# Altium PCB 400442.PcbDoc (part 3 of 4)
Units mil, origin at the board's own origin, x right, y up, seen from the top; angles counter-clockwise.
Board outline 5375 x 2500 mil, 4 copper layers (Top Layer, Mid-Layer 1, Mid-Layer 2, Bottom Layer), stack 59.252 mil thick; 333 components, 216 nets, 1371 pads, 1287 vias.
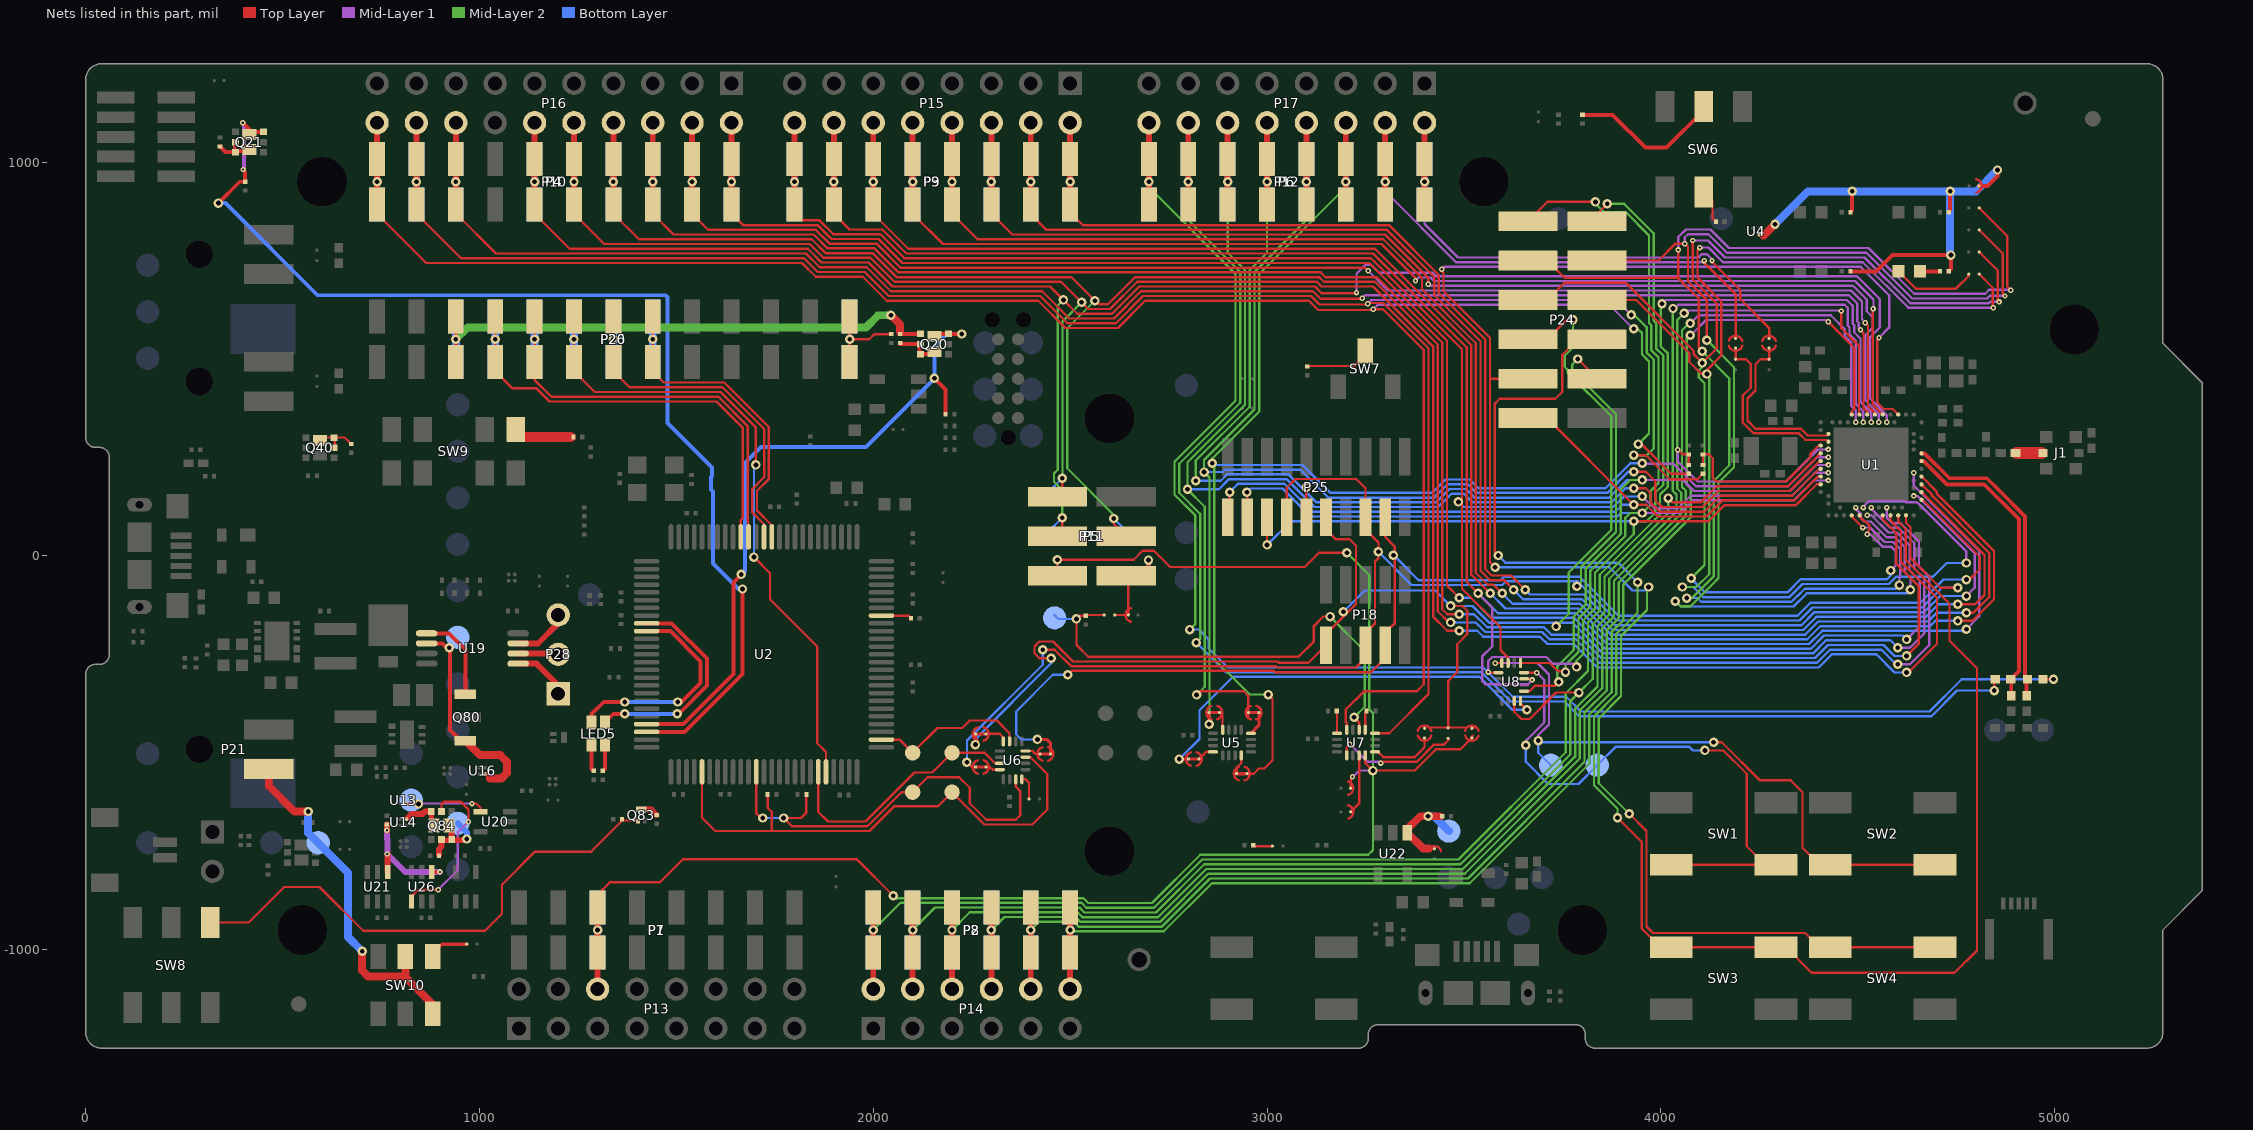
[diagram p5: the nets of this part, all layers, seen from the top]

## Via types
v1: diameter 24, hole 12, Top Layer to Bottom Layer, tented both sides, 1085 vias
v2: diameter 13.78, hole 5.91, Top Layer to Mid-Layer 1, tented both sides, 161 vias
v3: diameter 13.78, hole 5.91, Top Layer to Mid-Layer 1, tented top, 32 vias
v4: diameter 23.62, hole 11.81, Top Layer to Bottom Layer, tented both sides, 8 vias
v5: diameter 19.68, hole 9.84, Top Layer to Bottom Layer, tented both sides, 1 vias

## Nets (pads, with @x,y where several pads share a name; then routed paths per layer and width w, separated by ;. In a path a pad name is that pad's centre, name@x,y a point inside that pad or via, vN(x,y) a via of type N, cw(c..) or ccw(c..) an arc to the next point about the centre after c; other vN are vias at no path point) (continued)
NetLED4_1: LED4.1 SB8.2 | length 215
  Top Layer w5.91: LED4.1@4603.33,722.73 4647.32,678.73 4749.73,678.73 4782.03,711.03 SB8.2@4782.03,715.73
NetLED4_2: LED4.2 R51.1 | length 50.3
  Top Layer w10: LED4.2@4658.33,722.73 R51.1@4708.62,722.73
NetLED5_1: LED5.1 R20.1 | length 68.7
  Top Layer w10: LED5.1@1284.87,-479.54 1284.87,-540.78 1288.97,-544.87 1288.97,-545.47 1289.28,-545.78 R20.1@1289.87,-545.78
NetLED5_2: LED5.2 R21.1 | length 68.7
  Top Layer w10: R21.1@1313.34,-545.78 1313.93,-545.78 1314.24,-545.47 1314.24,-544.87 1318.34,-540.78 LED5.2@1318.34,-479.54
NetP1_3: P1.3 P5.5 P7.3 P11.5 P13.6 SB43.2 SB44.1 U7.4 | length 4528.4
  Top Layer w5.91: P1.3@1300,-892.32 1300,-860 1331,-829 1457.6,-829 1516,-770.6 1958.6,-770.6 v1(2051,-863) ; P5.5@2467.68,-49.82 v1(2467.68,-9.6) 2661.4,-9.6 2684,13 2713,13 2754,-28 3096,-28 3132,8 v1(3203,8) ; SB43.2@3212.3,-590 3212.3,-576.1 3212.3,-566.7 v2@3218,-561 ; U7.4@3249.62,-506.48 3249.62,-525.62 v1(3269,-545) 3374.94,-545 3428.79,-491.15 3491.15,-491.15 3514.14,-468.16 SB44.1@3520,-462.3 ; SB44.1@3518.35,-460.65 3522,-457
  Top Layer w15: P13.6@1300,-1100 P1.3@1300,-1007.68 v1(1300,-950) P1.3@1300,-892.32
  Mid-Layer 1 w5.91: v2@3218,-561 3234,-545 v1(3269,-545)
  Mid-Layer 2 w5.91: v1(2051,-863) 2057,-869 2533.55,-869 2545.96,-881.41 2708.08,-881.41 2830.49,-759 3257,-759 3269,-747 v1(3269,-545) 3269,-399.3 3259.98,-390.28 3259.98,-48.98 v1(3203,8)
  Bottom Layer w5.91: P11.5@2467.68,-50 v1(2467.68,-9.6)
  Bottom Layer w15: P7.3@1300,-1007.68 v1(1300,-950) P7.3@1300,-892.32
  other v2: 3217,-561
NetP4_9: P4.9 P10.9 P16.18 R1.1 U7.8 | length 5494.9
  Top Layer w5.91: P4.9@840,892.32 840,869 953,756 1823.97,756 1858.97,721 1978.3,721 2039.3,660 2423.94,660 2492.94,591 2616.23,591 2685.23,660 3111.71,660 3133.04,638.66 3253.9,638.66 v2(3255.62,640.38) 3257.34,642.1 3295.1,642.1 3410,527.21 3410,-350.97 3310.59,-450.38 U7.8@3274.23,-450.38 ; v1(3931,256) 3961.7,256 4022.94,194.76 4092.98,194.76 4104.09,205.87 4104.09,206.46 4106.41,208.78 R1.1@4107,208.78
  Top Layer w15: P4.9@840,892.32 v1(840,950) P4.9@840,1007.68 P16.18@840,1100
  Mid-Layer 1 w5.91: v2(3255.62,640.38) 3265.24,650 3887,650 v1(3925,612)
  Mid-Layer 2 w5.91: v1(3925,612) 3932.75,612 3964,580.75 3964,516.84 3982,498.84 3982,273 3965,256 v1(3931,256)
  Bottom Layer w15: P10.9@840,892.32 v1(840,950) P10.9@840,1007.68
NetP4_10: P4.10 P10.10 P16.20 R2.1 U7.12 | length 5509.2
  Top Layer w5.91: P4.10@740,892.32 740,869 865,744 1819,744 1854,709 1973.32,709 2034.32,648 2418.97,648 2487.97,579 2621.2,579 2690.2,648 3106.74,648 3130.24,624.49 3268.07,624.49 v2(3269.79,626.21) 3294.44,626.21 3398,522.65 3398,-326 3380,-344 3246,-344 3199.5,-390.5 3199.5,-421.5 3202.38,-424.38 U7.12@3202.38,-441.52 ; v1(3943,284) 3950.67,284 4025.89,208.78 R2.1@4071,208.78
  Top Layer w15: P4.10@740,892.32 v1(740,950) P4.10@740,1007.68 P16.20@740,1100
  Mid-Layer 1 w5.91: v2(3269.79,626.21) 3281.57,638 3869,638 3930,577 v1(3931,577)
  Mid-Layer 2 w5.91: v1(3931,577) 3941,577 3952,566 3952,511.87 3970,493.87 3970,311 v1(3943,284)
  Bottom Layer w15: P10.10@740,892.32 v1(740,950) P10.10@740,1007.68
NetP5_6: P5.6 P11.6 SB32.2 SB33.1 | length 204.5
  Top Layer w5.91: SB33.1@2613.3,-150 2640.83,-150 ; P5.6@2642.5,-50 2647.7,-55.2 2647.7,-136.1 SB32.2@2647.7,-150
  Top Layer w10: P5.6@2699,-48 v1(2699,-10.6)
  Bottom Layer w10: P11.6@2699,-48 v1(2699,-10.6)
NetP6_7: P6.7 P12.7 P17.14 R43.1 | length 3799.2
  Top Layer w5.91: v1(4847,-342) 4847,-315.16 R43.1@4849.16,-313
  Top Layer w15: P6.7@2800,892.32 v1(2800,950) P6.7@2800,1007.68 P17.14@2800,1100
  Mid-Layer 2 w5.91: v1(2800,950) 2800,853.03 2932,721.03 2932,389 2777,234 2777,160.3 2830,107.3 2830,-210 v1(2820,-220)
  Bottom Layer w5.91: v1(2820,-220) 2895.09,-295.09 3544.26,-295.09 3618.85,-369.69 3755.19,-369.69 3792.4,-406.91 4687.09,-406.91 4752,-342 v1(4847,-342)
  Bottom Layer w15: P12.7@2800,892.32 v1(2800,950) P12.7@2800,1007.68
NetP6_8: P6.8 P12.8 P17.16 R45.1 | length 3996.6
  Top Layer w5.91: R45.1@4970.53,-313 v1(4997.16,-313)
  Top Layer w15: P6.8@2700,892.32 v1(2700,950) P6.8@2700,1007.68 P17.16@2700,1100
  Mid-Layer 2 w5.91: v1(2700,950) 2700,936.06 2920,716.06 2920,394 2765,239 2765,155.33 2818,102.33 2818,-173 v1(2804,-187)
  Bottom Layer w5.91: v1(2804,-187) 2827,-187 2852,-212 2852,-235.16 2900.03,-283.19 3549.19,-283.19 3623.79,-357.79 3760.12,-357.79 3797.33,-395 4682.16,-395 4764.16,-313 v1(4997.16,-313)
  Bottom Layer w15: P12.8@2700,892.32 v1(2700,950) P12.8@2700,1007.68
NetP20_13: P20.13 P26.13 R69.2 | length 342.2
  Top Layer w5.91: P20.13@1940,492.32 v1(1940,550) ; P20.13@1940,607.68 v1(1940,550) ; R69.2@2046,563.22 2003.22,563.22 1990,550 v1(1940,550)
  Bottom Layer w5.91: P26.13@1940,492.32 v1(1940,550) P26.13@1940,607.68
NetP21_2: P21.2 SW10.2 SW10.4 TP27.1 | length 920.8
  Top Layer w20: P21.2@464.99,-541 464.99,-583.99 530,-649 v1(565,-649) ; v1(702,-1004) 702,-1053 717,-1068 810,-1068 ; SW10.2@812,-1017.17 812,-1066 810,-1068 ; SW10.4@880.9,-1162.83 880.9,-1138.9 810,-1068
  Bottom Layer w20: v1(565,-649) 565,-703.83 666,-804.83 666,-968 v1(702,-1004)
NetP28_1: P28.1 U19.5 | length 145.9
  Top Layer w15: U19.5@1098.14,-273.39 1144.39,-273.39 1200,-329 P28.1@1200,-350
NetP28_2: P28.2 U19.6 | length 102.8
  Top Layer w15: U19.6@1098.14,-247.8 1197.8,-247.8 P28.2@1200,-250
NetP28_3: P28.3 U19.7 | length 144.1
  Top Layer w15: U19.7@1098.14,-222.2 1148.8,-222.2 1200,-171 P28.3@1200,-150
NetQ20_5: Q20.5 Q20.6 R22.2 | length 115.2
  Top Layer w10: R22.2@2068.33,538 2117.93,538 Q20.6@2117.93,512.41 ; Q20.6@2118.13,512.41 2148.44,512.41 Q20.6@2155.33,519.3
NetQ21_5: Q21.5 Q21.6 R24.2 | length 109.5
  Top Layer w10: R24.2@341,1039.78 341.59,1039.78 341.9,1039.46 341.9,1038.87 355.37,1025.41 378.6,1025.41 Q21.5@378.6,1051 ; Q21.6@378.79,1025.41 381.12,1027.73 411.43,1027.73 Q21.6@416,1032.3
NetQ40_5: Q40.5 Q40.6 R41.2 | length 114.4
  Top Layer w5.91: Q40.6@595,293.7 601.89,300.59 Q40.6@632.2,300.59 ; Q40.5@632.4,275 632.4,300.59 657.63,300.59 671.09,287.13 671.09,286.54 673.41,284.22 R41.2@674,284.22
NetQ80_1: Q80.1 U19.1 | length 220.3
  Top Layer w10: U19.1@873.86,-196.61 922.61,-196.61 964.13,-238.13 Q80.1@964.13,-350.94
NetQ80_3: Q80.3 TP34.1 U16.A1 U19.2 | length 532.2
  Top Layer w9.84: U16.A1@1014.87,-553.87 1026.19,-565.19
  Top Layer w10: U19.2@873.86,-222.2 906.2,-222.2 925.57,-241.57 925.57,-442.57 952.06,-469.06 Q80.3@964.13,-469.06
  Top Layer w20: Q80.3@964.13,-469.06 1001.08,-506 1053,-506 1070,-523 1070,-551 1055.81,-565.19 1026.19,-565.19
  other v1: 923,-233
NetQ83_1: Q83.1 R94.1 SW8.4 | length 1328.7
  Top Layer w5.91: SW8.4@316.05,-930.73 414.27,-930.73 504,-841 594,-841 705,-952 1014,-952 1057.11,-908.89 1057.11,-834.89 1141,-751 1283.61,-751 1362.83,-671.78 Q83.1@1402.14,-671.78
NetQ83_3: Q83.3 R93.2 | length 44.6
  Top Layer w15: Q83.3@1411,-644.22 1436.44,-644.22 R93.2@1450,-657.78
NetQ84_2: Q84.2 U26.4 | length 419.1
  Top Layer w5.91: U26.4@827.41,-877.4 827.41,-864.59 844,-848 v3(895,-848) ; Q84.2@903.59,-647.59 903.59,-631.41 911,-624 952,-624 972,-644 v3(972,-675)
  Mid-Layer 1 w5.91: v3(895,-848) 945,-798 945,-702 v3(972,-675)
NetQ84_3: Q84.3 U14.A2 | length 108
  Top Layer w12: Q84.3@878,-647.59 878,-677.91 Q84.3@884.89,-684.8
  Top Layer w15: U14.A2@817.5,-665.5 827.98,-655.02 855.36,-655.02 861.38,-649 876.59,-649 Q84.3@878,-647.59
NetQ84_5: Q84.5 Q84.6 R96.2 TP45.1 | length 194.8
  Top Layer w15: R96.2@897.22,-759 897.22,-744.78 903.59,-738.41 903.59,-722 Q84.6@929.18,-722 ; Q84.6@922.29,-684.8 929.18,-691.69 Q84.6@929.18,-722 ; v4(968,-719) 965,-722 Q84.6@929.18,-722
  Bottom Layer w15: TP45.1@944.88,-679.13 968,-702.25 v4(968,-719)
NetR3_2: R3.2 SW6.5 | length 88.8
  Top Layer w5.91: SW6.5@4109,924.73 4131.31,902.42 4131.31,857.46 4136.87,851.91 4137.46,851.91 4139.78,849.59 R3.2@4139.78,849
NetR4_2: R4.2 SW7.2 | length 170.2
  Top Layer w5.91: R4.2@3102,481.22 3103,482.22 3222.22,482.22 3250,510 SW7.2@3250,520.28
NetR5_2: R5.2 SW6.2 | length 381.5
  Top Layer w10: R5.2@3801,1120.22 3877.78,1120.22 3961,1037 4014.73,1037 SW6.2@4109,1131.27
NetR30_2: R30.2 U2.43 | length 77.9
  Top Layer w5.91: U2.43@2020.83,-151.58 2089.95,-151.58 2093.46,-155.09 2095.8,-157.43 R30.2@2096.35,-157.43
NetR47_2: R47.2 R48.2 R50.2 R51.2 SB9.2 U4.A1 | length 1366.8
  Top Layer w9.84: U4.A1@4249.99,816 4261.24,816
  Top Layer w10: R50.2@4482.06,722.73 4546.73,722.73 4588,764 v1(4736.84,764) 4736.84,729.1 4731.06,723.32 R51.2@4731.06,722.73 ; R47.2@4482.06,872.73 4482.06,873.32 4485.84,877.1 v1(4485.84,926.04) 4485.84,893.41 ; R48.2@4731.06,872.73 4731.06,873.32 4734.84,877.1 v1(4734.84,925.73) ; SB9.2@4807.64,939.73 4814.51,939.73 4830.07,939.73 4855,964.66 v1(4855,980)
  Top Layer w20: 4261,813 v1(4290,842)
  Bottom Layer w20: v1(4290,842) 4373.73,925.73 v1(4734.84,925.73) ; v1@4734.84,764 v1(4734.84,925.73) ; v1(4855,980) 4800.73,925.73 v1(4734.84,925.73)
NetR49_1: R49.1 SB65.2 | length 49.3
  Top Layer w5.91: R49.1@2965.22,-735 2967.22,-737 SB65.2@3013.7,-737
NetR52_2: R52.2 U7.9 | length 48.8
  Top Layer w5.91: U7.9@3249.62,-441.52 3249.62,-400.42 3250.46,-399.58 3250.46,-396.32 R52.2@3252.78,-394
NetR53_2: R53.2 U7.13 | length 58.2
  Top Layer w5.91: R53.2@3177.22,-394 R53.2@3177.77,-394.55 ; U7.13@3177.77,-450.38 R53.2@3177.77,-394.55 ; R53.2@3177.77,-393 R53.2@3177.77,-394.55
NetR68_1: R68.1 SB33.2 TP19.1 U7.10 | length 1261.9
  Top Layer w5.91: R68.1@2540,-151.78 2524.22,-151.78 v1(2516,-160) 2516,-226 2545.92,-255.92 3080.08,-255.92 3119,-217 3119,-178 3143,-154 v1(3160,-154) ; R68.1@2540.32,-150 SB33.2@2586.7,-150 ; v1(3221,-410) 3233.87,-422.87 U7.10@3233.87,-441.52
  Mid-Layer 2 w5.91: v1(3160,-154) 3247.98,-241.98 3247.98,-383.02 v1(3221,-410)
  Bottom Layer w5.91: TP19.1@2460,-150 2470,-160 v1(2516,-160)
NetR95_2: R95.2 U21.1 U26.1 | length 294.5
  Top Layer w10: v3(766,-757) v3@766.59,-757.59 ; U26.1@878.59,-802.6 v3(899.6,-802.6)
  Top Layer w15: v3(765,-697) R95.2@765,-682.22 ; U21.1@766.59,-802.6 v3@766.59,-757.59
  Mid-Layer 1 w15: v3(765,-697) 765,-718.44 766,-719.44 v3(766,-757) 811.6,-802.6 v3(899.6,-802.6)
NetR97_2: R97.2 SW9.8 | length 147.4
  Top Layer w25: SW9.8@1092.48,321.12 1111.6,302 1232,302
NetR98_1: R98.1 SB80.1 TP38.1 U22.1 | length 246.6
  Top Layer w20: 3411.66,-743 3396.55,-743 U22.1@3356.4,-702.85 3356.4,-693.6 3389,-661 v1(3409,-661) R98.1@3440,-661
  Bottom Layer w20: v1(3409,-661) 3423.87,-661 TP38.1@3461.69,-698.82
NetSB42_1: SB42.1 U7.1 | length 330.4
  Top Layer w5.91: U7.1@3202.38,-506.48 3202.38,-485.62 v2(3210,-478) ; v2(3289,-526) 3292,-523 3379.97,-523 3423.82,-479.15 3449.15,-479.15 3460,-468.3 SB42.1@3460,-463.3
  Mid-Layer 1 w5.91: v2(3210,-478) 3255,-523 3286,-523 v2(3289,-526)
NetSB45_1: SB45.1 U7.5 | length 165.4
  Top Layer w5.91: U7.5@3274.23,-497.62 3281.92,-497.62 3295.3,-511 3375,-511 3400,-486 3400,-469.17 SB45.1@3400,-462.3
NetSB46_1: SB46.1 U7.3 | length 152.5
  Top Layer w5.91: SB46.1@3212.3,-650 3218.16,-644.14 3233.87,-628.43 U7.3@3233.87,-506.48
NetSB50_1: SB50.1 U8.16 | length 1100.2
  Top Layer w5.91: U8.16@3643.62,-368.23 3643.62,-374.62 v1(3660,-391)
  Top Layer w8: v1(2777,-516) 2793.83,-516 SB50.1@2800.7,-516
  Bottom Layer w5.91: v1(2777,-516) 2828.31,-464.69 2828.31,-391.99 2913.3,-307 3539.33,-307 3623.33,-391 v1(3660,-391)
NetSB50_2: SB50.2 U5.16 | length 43.1
  Top Layer w5.91: SB50.2@2827.3,-516 2845.68,-497.62 U5.16@2862.77,-497.62
NetSB51_2: SB51.2 U5.4 | length 51.5
  Top Layer w5.91: SB51.2@2922.7,-553 2922.7,-538.3 2934.62,-526.38 U5.4@2934.62,-506.48
NetSB52_2: SB52.2 U5.8 | length 61.1
  Top Layer w5.91: U5.8@2958.95,-450.5 U5.8@2959.23,-450.23
  Top Layer w8: U5.8@2959.23,-450.38 2959.23,-450.23 2979.3,-430.16 SB52.2@2979.3,-398
NetSB53_2: SB53.2 U5.12 | length 46.9
  Top Layer w5.91: SB53.2@2879.3,-398 2887.1,-405.8 U5.12@2887.1,-441.65
NetSB54_2: SB54.2 U6.16 | length 62.7
  Top Layer w5.91: U6.16@2377.62,-567.23 2386.92,-567.23 2395.7,-576.01 SB54.2@2395.7,-617
NetSB55_2: SB55.2 U6.4 | length 40.4
  Top Layer w5.91: U6.4@2386.48,-495.38 2404.38,-495.38 2412,-503 SB55.2@2423.7,-503
NetSB56_2: SB56.2 U6.8 | length 57.4
  Top Layer w5.91: SB56.2@2286.3,-452 2321,-452 2330.38,-461.38 U6.8@2330.38,-470.77
NetSB57_2: SB57.2 U6.12 | length 39.2
  Top Layer w5.91: SB57.2@2286.3,-536 2296,-536 2302.62,-542.62 U6.12@2321.52,-542.62 U6.12@2321.52,-543.83
NetSB58_2: SB58.2 SW10.1 | length 103.8
  Top Layer w8: SW10.1@880.9,-1017.17 880.9,-1010.1 905,-986 SB58.2@967.7,-986
NetSW1_2: SW1.2 TP20.1 U8.4 | length 1480.8
  Top Layer w5.91: U8.4@3652.48,-296.38 3685.38,-296.38 v2@3686,-297 ; SW1.2@4026.7,-784.26 SW1.2@4265.01,-784.26 ; v1(4112,-494) 4158.82,-494 4218,-553.18 4218,-737.25 SW1.2@4265.01,-784.26 ; SW1.2@4319.18,-784.26 SW1.2@4292.45,-784.26 SW1.2@4265.01,-784.26
  Mid-Layer 1 w5.91: v1(3657,-481) 3657,-470 3704,-423 3704,-315 v2@3686,-297
  Bottom Layer w5.91: v1(3657,-481) 3657,-522.38 3713.72,-579.09 3790.98,-579.09 TP20.1@3838.58,-531.5 3885.08,-485 4073,-485 4082,-494 v1(4112,-494)
  other v2: 3685,-297
NetSW2_2: SW2.2 TP21.1 U8.8 | length 1643.3
  Top Layer w5.91: v2@3578.23,-271.77 U8.8@3596.38,-271.77 ; v1(4134,-473) 4154.79,-473 4251.79,-570 4329.96,-570 4360,-600.04 4360,-741.08 4403.18,-784.26 SW2.2@4430.7,-784.26 SW2.2@4696.45,-784.26
  Mid-Layer 1 w5.91: v2@3578.23,-271.77 3686.8,-271.77 3715.91,-300.88 3715.91,-427.93 3689,-454.84 v1(3689,-469)
  Bottom Layer w5.91: TP21.1@3720.47,-531.5 3689,-500.02 v1(3689,-469) 3693,-473 v1(4134,-473)
  other v2: 3579.23,-272.77
NetTP43_1: TP43.1 U13.B2 U20.4 | length 211.2
  Top Layer w5.91: U13.B2@814.87,-628.87 v4@845,-628.87 ; v2(981,-628.87) 991.87,-628.87 1002.6,-639.6 U20.4@1002.6,-649.41 U20.4@993.41,-649.41
  Mid-Layer 1 w5.91: v4@845,-628.87 v2(981,-628.87)
  other v4: 845,-630
OB_LED1: LED5.4 U2.84 | length 556.7
  Top Layer w10: LED5.4@1318.34,-422.46 1339.79,-401 v1(1368.61,-401) ; U2.84@1424.38,-171.26 1487.87,-171.26 1577.61,-261 1577.61,-329.53 1506.13,-401 v1(1502.61,-401)
  Bottom Layer w10: v1(1368.61,-401) v1(1502.61,-401)
OB_LED2: LED5.3 U2.85 | length 554.4
  Top Layer w10: LED5.3@1284.87,-422.46 1284.87,-401.73 1315.61,-371 v1(1368.61,-371) ; U2.85@1424.38,-190.95 1484.92,-190.95 1561.61,-267.63 1561.61,-322.9 1513.51,-371 v1(1503.61,-371)
  Bottom Layer w10: v1(1368.61,-371) v1(1503.61,-371)
OB_RESET: TP7.1 U2.27 U6.7 | length 407.1
  Top Layer w5.91: U2.27@2020.83,-466.54 2066.54,-466.54 TP7.1@2100,-500 2163,-437 2226,-437 2245,-418 2314,-418 2346.13,-450.13 U6.7@2346.13,-470.77
OB_SWDCLK: R28.2 TP6.1 U2.5 U6.3 | length 1358.4
  Top Layer w5.91: U2.5@1565.13,-548.23 1565.13,-665.13 1598.6,-698.6 1742.35,-698.6 ; R28.2@1731.78,-606 1731.78,-639.43 1742.35,-650 1742.35,-698.6 ; U6.3@2386.48,-511.13 2399.13,-511.13 2442,-554 2442,-644 2404,-682 2282,-682 TP6.1@2200,-600 2164,-636 2052.94,-636 1990.34,-698.6 1742.35,-698.6
OB_SWDIO: R29.2 TP5.1 U2.12 U6.15 | length 1118.6
  Top Layer w5.91: U2.12@1702.92,-548.23 1702.5,-548.65 1702.5,-652.5 1715.6,-665.6 v1(1719.6,-665.6) ; R29.2@1830.22,-606 1830.22,-651.78 1816.4,-665.6 v1(1772.35,-665.6) 1793.35,-686.6 1985.37,-686.6 2071.97,-600 TP5.1@2100,-600 2138,-562 2218,-562 2245,-589 2245,-628.03 2286.97,-670 2362,-670 2373,-659 2373,-596.93 2361.87,-585.81 U6.15@2361.87,-567.23
  Bottom Layer w5.91: v1(1719.6,-665.6) v1(1772.35,-665.6)
OB_SWO: TP8.1 U2.20 U6.11 | length 656.5
  Top Layer w5.91: U2.20@1860.4,-548.23 1860.4,-649.99 1885.02,-674.6 1980.4,-674.6 2105,-550 2150,-550 TP8.1@2200,-500 2282.79,-500 2309.66,-526.87 U6.11@2321.52,-526.87
P0.00: P6.1 P12.1 P17.2 SB4.2 | length 1465.5
  Top Layer w5.91: v2@4128,749 4201.71,675.29 4201.71,652.29 4275,579 4275,559.17 SB4.2@4275,552.3
  Top Layer w15: P6.1@3400,892.32 v1(3400,950) P6.1@3400,1007.68 P17.2@3400,1100
  Mid-Layer 1 w5.91: v1(3400,950) 3400,843 3485,758 4095.53,758 4103.42,765.89 4117.23,765.89 4130,753.12 v2(4130,750) ; v2@4128,749 v2@4128,750
  Bottom Layer w15: P12.1@3400,892.32 v1(3400,950) P12.1@3400,1007.68
P0.00/XL1: SB2.2 SB4.1 U1.D2 | length 441.4
  Top Layer w5.71: 4374,305.61 4421.6,305.61 U1.D2@4425.73,309.74
  Top Layer w5.91: SB4.1@4275,527.7 4275,499.3 4253.11,499.3 4240.29,486.49 4240.29,420 4220.29,400 4220.29,343.68 4240.81,323.16 4355.99,323.16 4373.11,306.04
P0.01: P6.2 P12.2 P17.4 SB3.2 | length 1459.4
  Top Layer w5.91: v2(4110,750) 4110,745 4190,665 4190,559.17 SB3.2@4190,552.3
  Top Layer w15: P6.2@3300,892.32 v1(3300,950) P6.2@3300,1007.68 P17.4@3300,1100
  Mid-Layer 1 w5.91: v1(3300,950) 3300,926.03 3480.03,746 v2@4107,746
  Bottom Layer w15: P12.2@3300,892.32 v1(3300,950) P12.2@3300,1007.68
P0.01/XL2: SB1.2 SB3.1 U1.F2 | length 466.5
  Top Layer w5.71: 4367,294.19 4421.6,294.19 U1.F2@4425.73,290.05
  Top Layer w5.91: SB3.1@4190,527.7 SB1.2@4190,499.3 4215.99,499.3 4228.29,487 4228.29,427 4208.29,407 4208.29,338.71 4235.83,311.16 4351.01,311.16 4367,295.18 4367,294.19
P0.02/AIN0: P4.8 P10.8 P16.16 U1.A12 | length 4378.8
  Top Layer w5.91: P4.8@940,892.32 940,870 1042,768 1828.94,768 1863.94,733 1983.27,733 2044.27,672 2428.91,672 2497.91,603 2611.26,603 2680.26,672 3116.68,672 3135.85,652.83 3239.73,652.83 v2(3241.45,654.55) ; v2(4507,574) 4514.71,566.29 4514.71,375.29 4524.16,365.84 U1.A12@4524.16,358.95
  Top Layer w15: P4.8@940,892.32 v1(940,950) P4.8@940,1007.68 P16.16@940,1100
  Mid-Layer 1 w5.91: v2(3241.45,654.55) 3248.9,662 4478,662 4499,641 4499,595.89 4502.91,591.99 4502.91,578.09 v2(4507,574)
  Bottom Layer w15: P10.8@940,870 v1(940,950) P10.8@940,1007.68
P0.03/AIN1: P2.1 P8.1 P14.2 U1.B13 | length 4366.5
  Top Layer w15: P14.2@2000,-1100 P2.1@2000,-1007.68 v1(2000,-950) P2.1@2000,-892.32
  Mid-Layer 1 w5.91: v1(4003,640.3) 4012.61,649.91 4472.14,649.91 4487,635.05 4487,589.53 4491,585.53 4491,567.73 4507.24,551.49 4507.24,390.65 4534,363.89 v3(4534,339.27)
  Mid-Layer 2 w5.91: v1(2000,-950) 2069,-881 2528.58,-881 2540.99,-893.41 2713.05,-893.41 2835.46,-771 3486,-771 3758.33,-498.67 3758.33,-348.67 3815,-292 3815,-168.61 3845,-138.61 3845,-47.97 3985.99,93.01 3985.99,93.15 3997.72,104.88 3997.72,155 3998.09,155.38 3998.09,155.66 4018,175.56 4018,513.75 4000,531.75 4000,637.3 v1(4003,640.3)
  Bottom Layer w15: P8.1@2000,-1007.68 v1(2000,-950) P8.1@2000,-869
P0.04/AIN2: P2.2 P8.2 P14.4 U1.J1 U8.15 | length 3613.3
  Top Layer w5.91: U8.15@3627.87,-368.23 3627.87,-395.87 3646,-414 3667,-414 3734,-347 v1(3792,-347) ; v1(4019,147) 4030,136 4101.09,136 4142.09,177 4322.85,177 4329.87,184.03 4329.87,184.1 4391.63,245.85 4391.63,246.81 4400.08,255.26 4401.03,255.26 4403.92,258.15 4403.92,258.62 4405.83,260.53 U1.J1@4406.05,260.53
  Top Layer w15: P14.4@2100,-1100 P2.2@2100,-1007.68 v1(2100,-950) P2.2@2100,-892.32
  Mid-Layer 2 w5.91: v1(2100,-950) 2157,-893 2523.61,-893 2536.02,-905.41 2718.03,-905.41 2840.43,-783 2887,-783 3491,-783 3770.33,-503.67 3770.33,-368.67 v1(3792,-347) 3827,-312 3827,-173.58 3857,-143.58 3857,-52.94 4019,109.06 v1(4019,147)
  Bottom Layer w15: P8.2@2100,-1007.68 v1(2100,-950) P8.2@2100,-892.32
P0.05/AIN3: P6.3 P12.3 P17.6 SB51.1 U1.K2 | length 3790.7
  Top Layer w5.91: SB51.1@2949.3,-553 2956.17,-553 2966.2,-553 2979.2,-540 2993,-540 3014.08,-518.92 3014.08,-363.08 v1(3003,-352)
  Top Layer w15: P6.3@3200,902 v1(3200,950) P6.3@3200,1007.68 P17.6@3200,1100
  Mid-Layer 1 w5.91: v1@3954,234 4032.16,234 4089.16,177 4322.85,177 4396.53,250.68 v2(4425.73,250.68)
  Mid-Layer 2 w5.91: v1(3003,-352) 2956,-352 2866,-262 2866,230 v1(2861,235) 2861,247.73 2980,366.73 2980,716 3200,936 v1(3200,950)
  Bottom Layer w5.91: v1(2861,235) 2865,231 3090,231 3161,160 3419.39,160 3453.39,194 3515,194 3537,172 3859.3,172 3922.3,235 v1(3953,235)
  Bottom Layer w15: P12.3@3200,892.32 v1(3200,950) P12.3@3200,1007.68
P0.06: P6.4 P12.4 P17.8 SB53.1 U1.L1 | length 3601.4
  Top Layer w5.91: v1(3931,214) 3961.7,214 3986,189.7 3986,140.94 4002.94,124 4106.06,124 4147.06,165 4323,165 4327.75,165 4341.83,179.08 4341.83,179.15 4403.52,240.84 U1.L1@4406.05,240.84
  Top Layer w8: v1(2852.7,-427.3) 2852.7,-411.9 SB53.1@2852.7,-398
  Top Layer w15: P6.4@3100,892.32 v1(3100,950) P6.4@3100,1007.68 P17.8@3100,1100
  Mid-Layer 2 w5.91: v1(2852.7,-427.3) 2854,-426 2854,199 v1(2840,213) 2840,243.7 2968,371.7 2968,720.97 3100,852.97 v1(3100,950)
  Bottom Layer w5.91: v1(2840,213) 2887.36,213 2893.36,219 3084.7,219 3155.7,148 3424.36,148 3458.36,182 3510.03,182 3532.03,160 3864.27,160 3918.27,214 v1(3931,214)
  Bottom Layer w15: P12.4@3100,892.32 v1(3100,950) P12.4@3100,1007.68
P0.07: P6.5 P12.5 P17.10 P25.12 U1.M2 U8.1 | length 3669
  Top Layer w5.91: P25.12@3100,98.23 v1(3100,174) ; U8.1@3652.48,-343.62 3666.44,-343.62 3680.06,-330 3731,-330 v1(3741,-320)
  Top Layer w15: P6.5@3000,900 v1(3000,950) P6.5@3000,1007.68 P17.10@3000,1100
  Mid-Layer 1 w5.91: v1(3953,193) 4056.33,193 4084.33,165 4327.82,165 4393.82,231 v2(4425.73,231)